# KiCad board usb_power_board.kicad_pcb
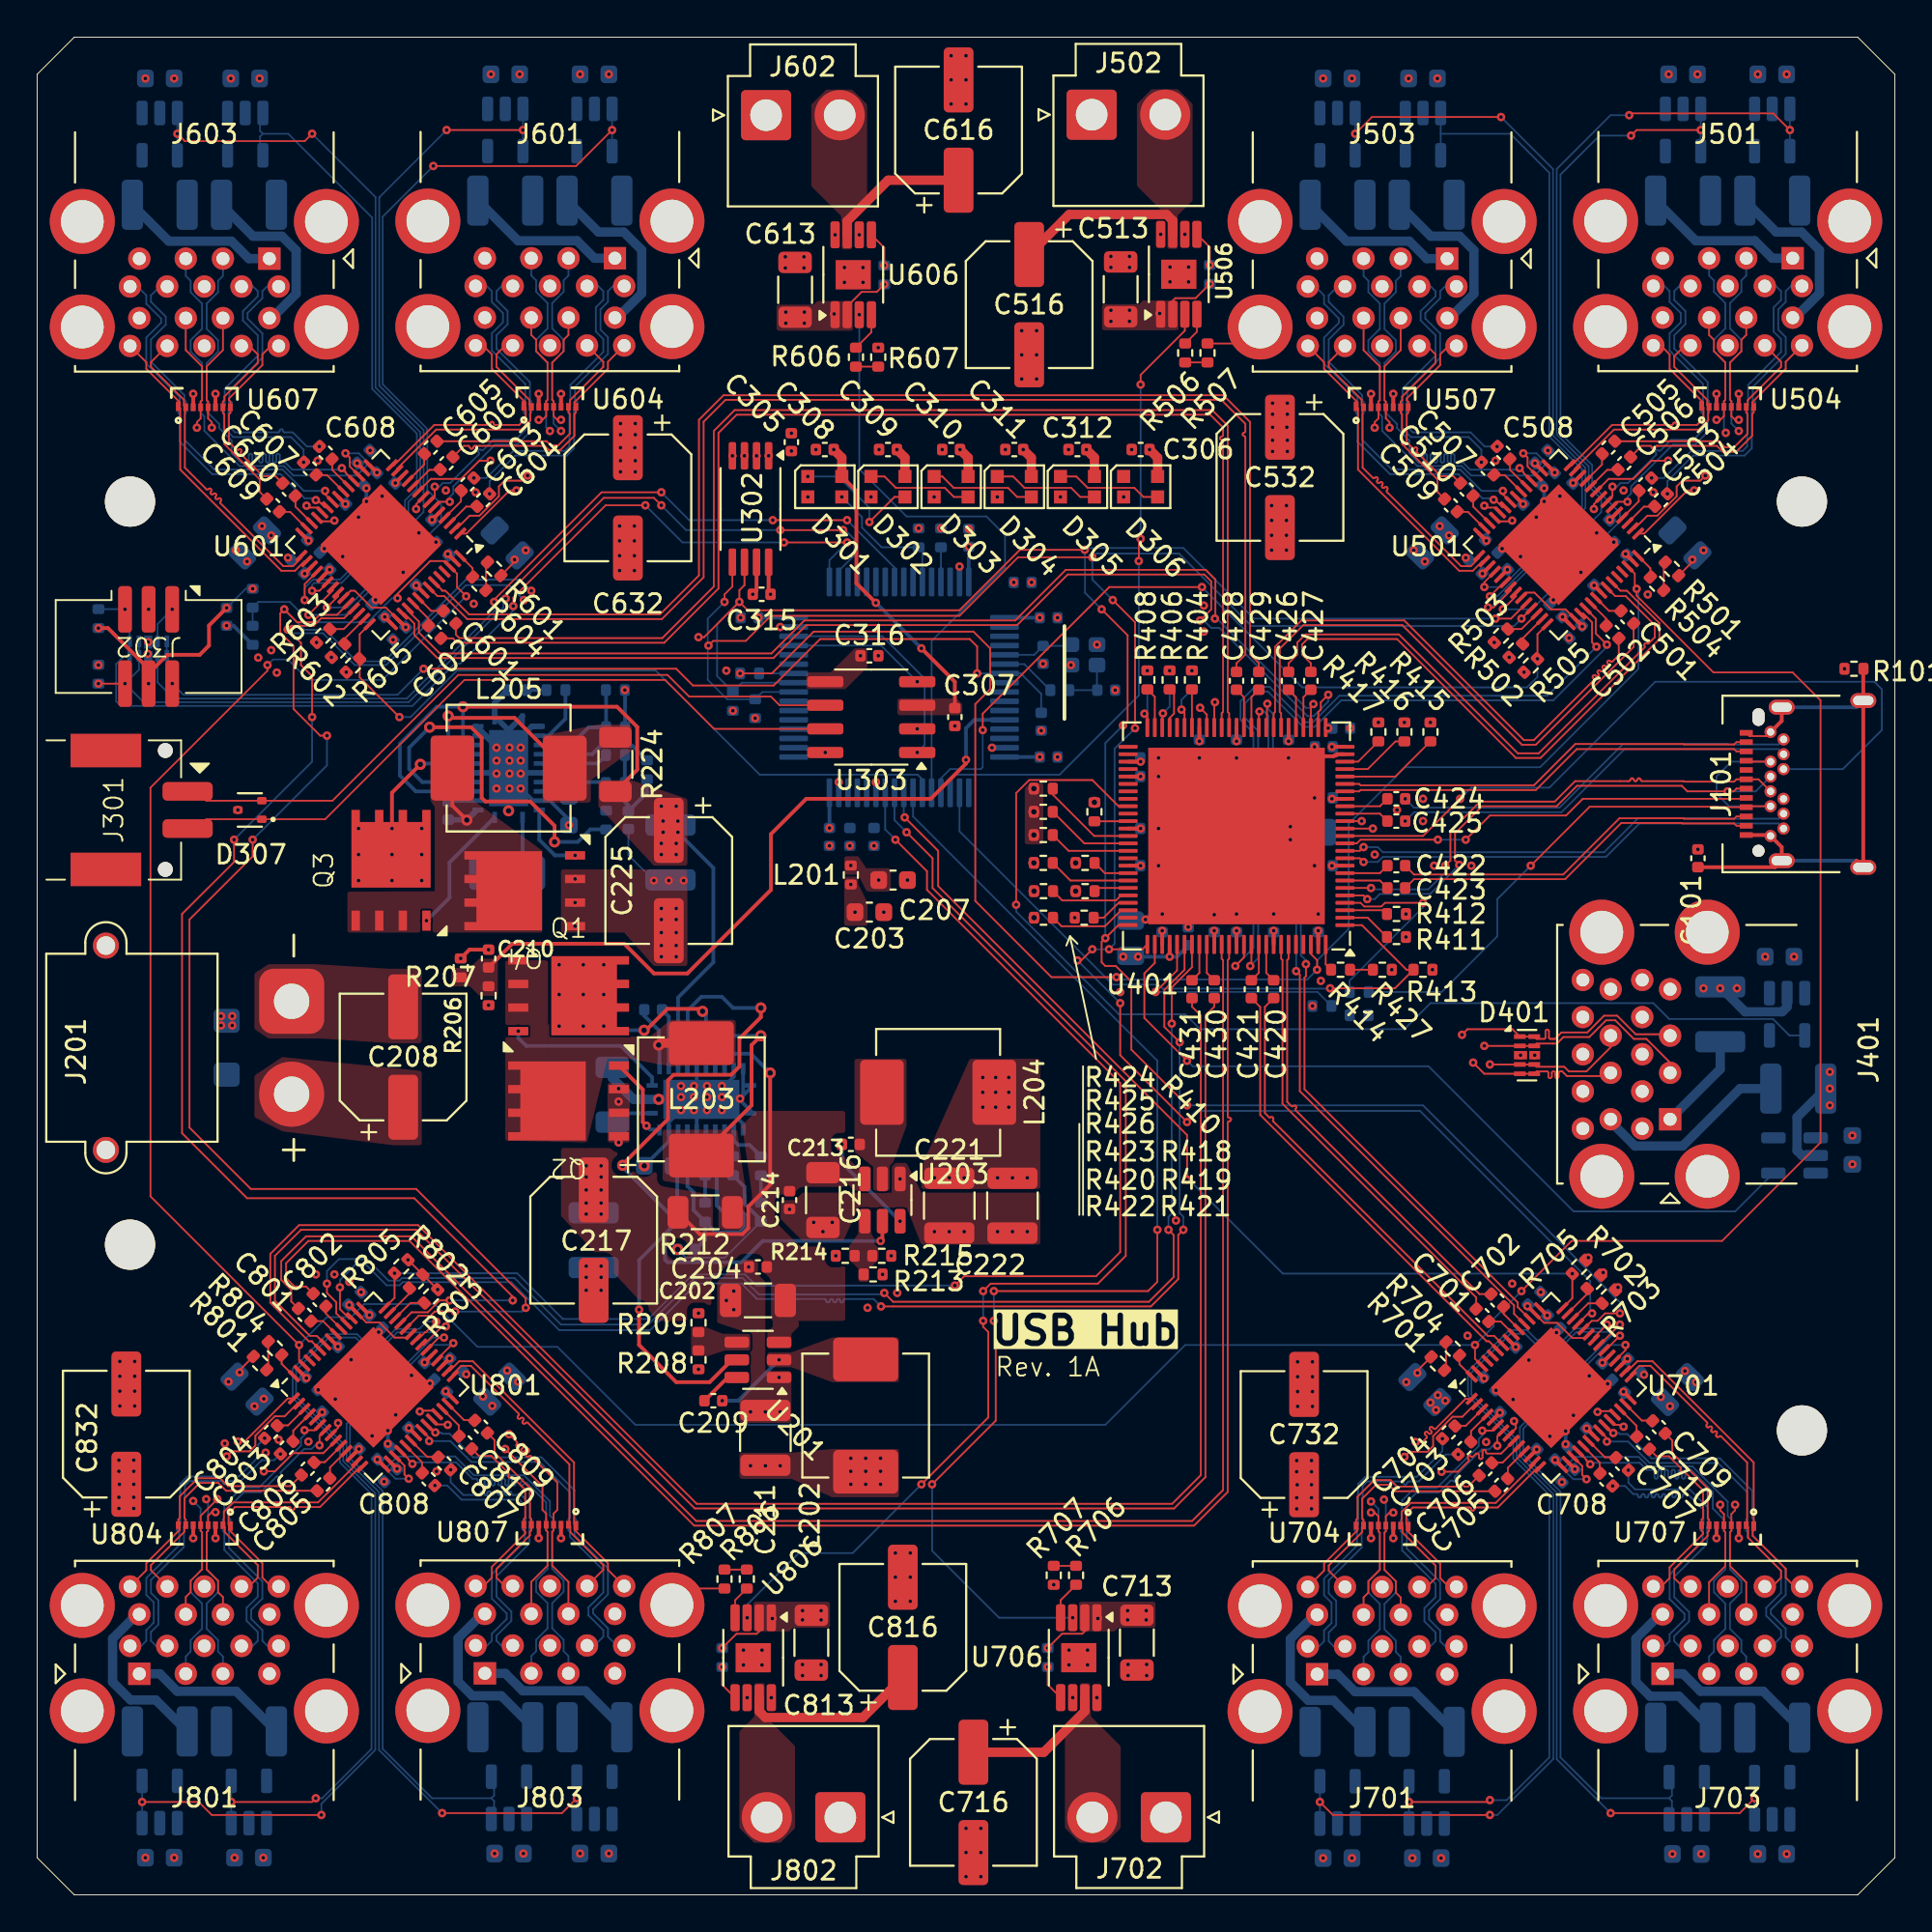
[diagram p0: board, top side]
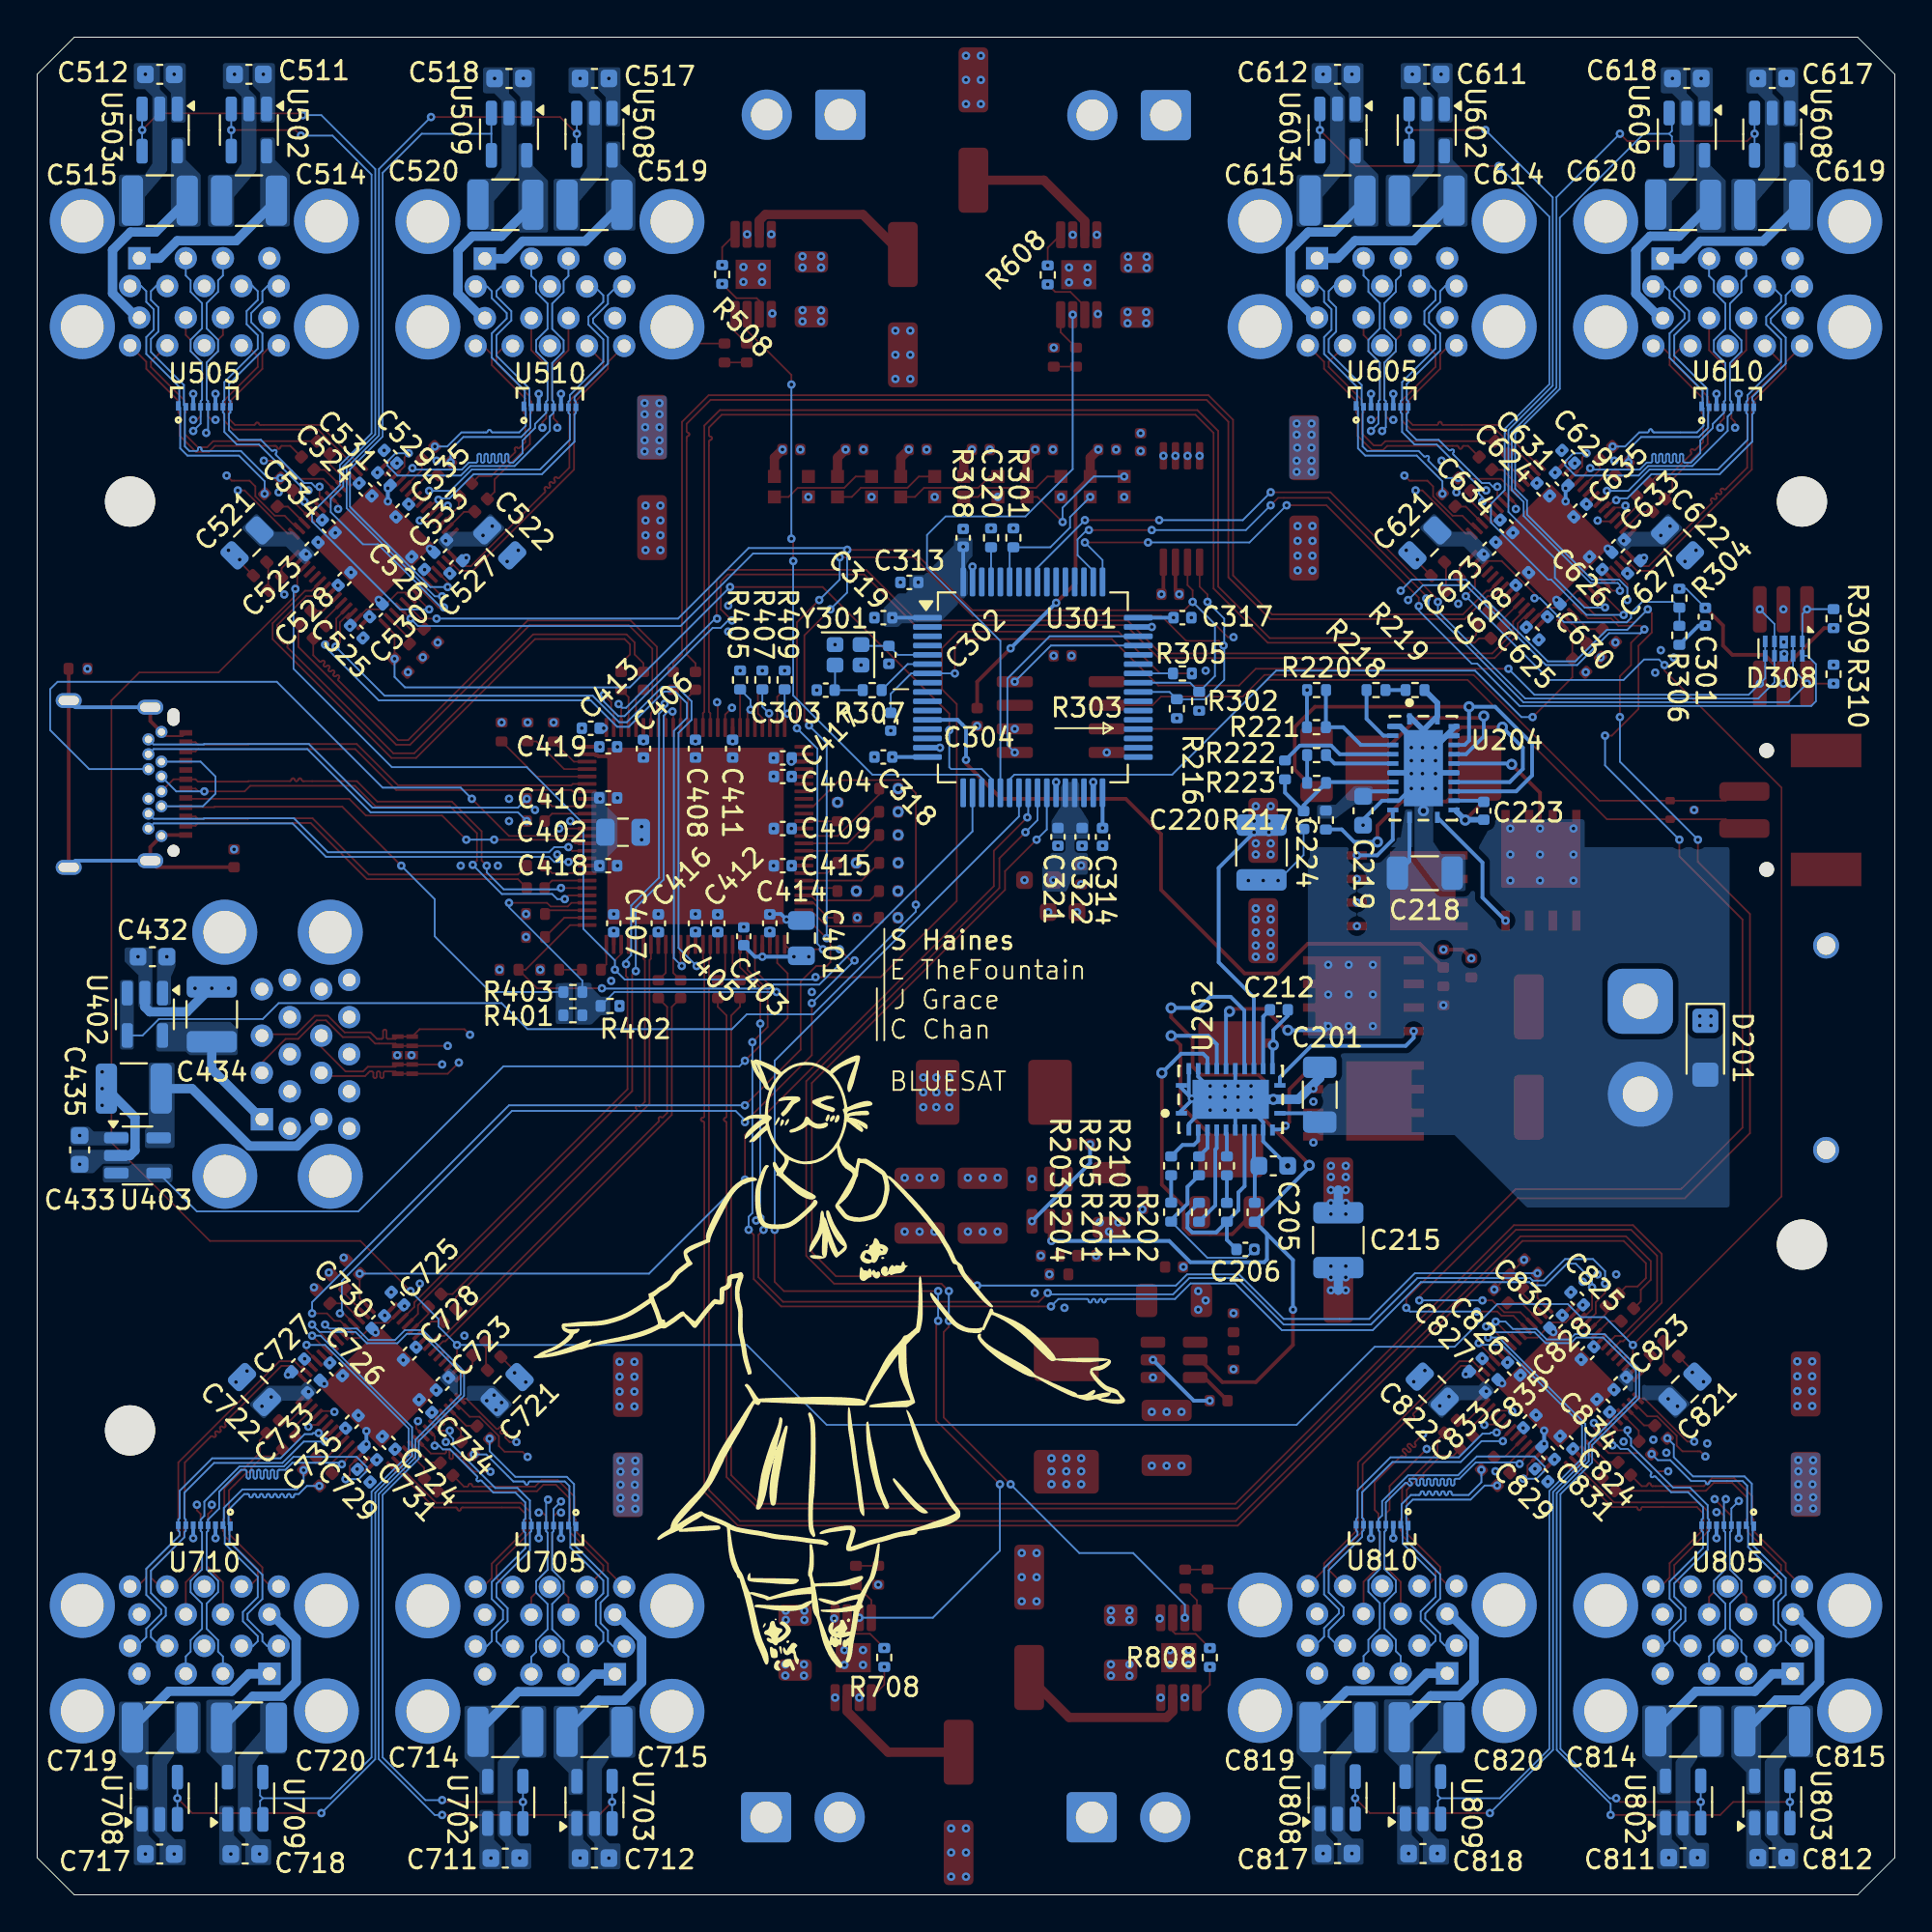
[diagram p1: board, bottom side, seen from below]

Outline 100 x 100 mm; copper layers: Top, GNDF.Cu (plane), PWRF.Cu, PWRB.Cu, GNDB.Cu (plane), Bottom. Coordinates in mm from the lower left corner of the outline.
Outline path: 0,98 0,2 2,0 98,0 100,2 100,98 98,100 2,100 0,98
Stack: Top 0.035mm / dielectric 0.1mm FR4 er 4.5 / GNDF.Cu 0.035mm / dielectric 0.535mm FR4 er 4.5 / PWRF.Cu 0.035mm / dielectric 0.1mm FR4 er 4.5 / PWRB.Cu 0.035mm / dielectric 0.535mm FR4 er 4.5 / GNDB.Cu 0.035mm / dielectric 0.1mm FR4 er 4.5 / Bottom 0.035mm

## Placement (name value [footprint] x y rotation side)
C101  10n  [C_0402_1005Metric]  89.4 55.8 270 top
C201  2u2  [C_1206_3216Metric]  30.96 43.07 270 bottom
C202  4u7  [C_1206_3216Metric]  38.8 32 0 top
C203  2u2  [C_0603_1608Metric]  44.8 52.9 180 top
C204  100n  [C_0402_1005Metric]  38.8 33.8 0 top
C205  2u2  [C_0603_1608Metric]  33.46 39.24 0 bottom
C206  220n  [C_0402_1005Metric]  34.96 34.74 0 bottom
C207  2u2  [C_0603_1608Metric]  46.07 54.62 180 top
C208  68u  [CP_Elec_6.3x7.7]  19.7 45.1 90 top
C209  100n  [C_0402_1005Metric]  36.4 26.6 0 top
C210  10n  [C_0402_1005Metric]  24.3 50.4 270 top
C211  22u  [C_1210_3225Metric]  39.2 24.6 270 top
C212  100n  [C_0402_1005Metric]  33.16 47.64 180 bottom
C213  4u7  [C_1206_3216Metric]  42.3 37.4 90 top
C214  100n  [C_0402_1005Metric]  40.5 37.4 90 top
C215  10u  [C_1210_3225Metric]  29.96 35.24 90 bottom
C216  100n  [C_0402_1005Metric]  43.8 40.4 0 top
C217  68u  [CP_Elec_6.3x7.7]  29.96 35.24 270 top
C218  2u2  [C_1206_3216Metric]  25.3 55 0 bottom
C219  2u2  [C_0603_1608Metric]  28.63 58.36 90 bottom
C220  220n  [C_0402_1005Metric]  31.83 57.86 90 bottom
C221  22u  [C_1210_3225Metric]  49.1 37.1 90 top
C222  22u  [C_1210_3225Metric]  52.5 37.1 90 top
C223  100n  [C_0402_1005Metric]  22.13 58.36 270 bottom
C224  22u  [C_1210_3225Metric]  34.09 56.11 90 bottom
C225  68u  [CP_Elec_6.3x7.7]  34 54.6 270 top
C301  220n  [C_0402_1005Metric]  10.2 68.8 90 bottom
C302  10p  [C_0402_1005Metric]  54.15 66.75 90 bottom
C303  10p  [C_0402_1005Metric]  57.55 64.85 180 bottom
C304  10n  [C_0402_1005Metric]  54.05 63.15 90 bottom
C305  4u7  [C_0402_1005Metric]  40.6 78.2 90 top
C306  220n  [C_0402_1005Metric]  59.4 77.8 0 top
C307  220n  [C_0402_1005Metric]  49.4 63.4 90 top
C308  220n  [C_0402_1005Metric]  42.4 77.8 0 top
C309  220n  [C_0402_1005Metric]  45.8 77.8 0 top
C310  220n  [C_0402_1005Metric]  49.2 77.8 0 top
C311  220n  [C_0402_1005Metric]  52.6 77.8 0 top
C312  220n  [C_0402_1005Metric]  56 77.8 0 top
C313  4u7  [C_0402_1005Metric]  53.05 70.65 180 bottom
C314  220n  [C_0402_1005Metric]  42.65 56.95 90 bottom
C315  220n  [C_0402_1005Metric]  39 70.01 0 top
C316  220n  [C_0402_1005Metric]  44.8 66.7 180 top
C317  220n  [C_0402_1005Metric]  38.35 68.75 0 bottom
C318  220n  [C_0402_1005Metric]  54.45 61.25 180 bottom
C319  220n  [C_0402_1005Metric]  54.45 68.75 180 bottom
C320  220n  [C_0402_1005Metric]  50.15 73.05 270 bottom
C321  220n  [C_0402_1005Metric]  45.05 56.95 90 bottom
C322  220n  [C_0402_1005Metric]  43.75 56.95 90 bottom
C401  4u7  [C_0805_2012Metric]  58.86 51.5 270 bottom
C402  4u7  [C_0805_2012Metric]  68.46 57.2 0 bottom
C403  220n  [C_0402_1005Metric]  61.96 51.6 270 bottom
C404  220n  [C_0402_1005Metric]  59.86 60.2 180 bottom
C405  220n  [C_0402_1005Metric]  64.56 52.3 270 bottom
C406  220n  [C_0402_1005Metric]  67.36 61.7 90 bottom
C407  220n  [C_0402_1005Metric]  68.96 52.3 270 bottom
C408  220n  [C_0402_1005Metric]  64.56 61.7 90 bottom
C409  220n  [C_0402_1005Metric]  59.86 57.4 180 bottom
C410  220n  [C_0402_1005Metric]  69.26 59.05 0 bottom
C411  220n  [C_0402_1005Metric]  62.56 61.7 90 bottom
C412  220n  [C_0402_1005Metric]  63.36 52.3 270 bottom
C413  220n  [C_0402_1005Metric]  70.2 62.8 180 bottom
C414  220n  [C_0402_1005Metric]  60.56 52.3 270 bottom
C415  220n  [C_0402_1005Metric]  59.86 55.4 180 bottom
C416  220n  [C_0402_1005Metric]  66.56 52.3 270 bottom
C417  220n  [C_0402_1005Metric]  59.86 61.2 180 bottom
C418  220n  [C_0402_1005Metric]  69.26 55.4 0 bottom
C419  220n  [C_0402_1005Metric]  69.26 61.8 0 bottom
C420  220n  [C_0402_1005Metric]  66.56 48.75 90 top
C421  220n  [C_0402_1005Metric]  65.36 48.75 90 top
C422  220n  [C_0402_1005Metric]  73.16 55.4 180 top
C423  220n  [C_0402_1005Metric]  73.16 54.2 180 top
C424  220n  [C_0402_1005Metric]  73.16 59 180 top
C425  220n  [C_0402_1005Metric]  73.16 57.8 180 top
C426  220n  [C_0402_1005Metric]  67.36 65.35 270 top
C427  220n  [C_0402_1005Metric]  68.56 65.35 270 top
C428  220n  [C_0402_1005Metric]  64.56 65.35 270 top
C429  220n  [C_0402_1005Metric]  65.76 65.35 270 top
C430  220n  [C_0402_1005Metric]  63.36 48.75 90 top
C431  220n  [C_0402_1005Metric]  62.17 48.75 90 top
C432  2u2  [C_0603_1608Metric]  93.8 50.5 180 bottom
C433  2u2  [C_0603_1608Metric]  97.71 40.1 90 bottom
C434  22u  [C_1210_3225Metric]  90.6 47.4 270 bottom
C435  22u  [C_1210_3225Metric]  94.8 43.4 180 bottom
C501  220n  [C_0402_1005Metric]  85.6 68.78 135 top
C502  220n  [C_0402_1005Metric]  84.8 67.98 135 top
C503  220n  [C_0402_1005Metric]  86.57 75.93 225 top
C504  220n  [C_0402_1005Metric]  87.42 75.08 225 top
C505  220n  [C_0402_1005Metric]  84.59 77.91 225 top
C506  220n  [C_0402_1005Metric]  85.44 77.06 225 top
C507  220n  [C_0402_1005Metric]  78.08 76.78 315 top
C508  220n  [C_0402_1005Metric]  78.93 77.63 315 top
C509  220n  [C_0402_1005Metric]  76.1 74.8 315 top
C510  220n  [C_0402_1005Metric]  76.95 75.65 315 top
C511  2u2  [C_0603_1608Metric]  88.6 98 180 bottom
C512  2u2  [C_0603_1608Metric]  93.4 98 180 bottom
C513  4u7  [C_1206_3216Metric]  58.32 86.43 270 top
C514  22u  [C_1210_3225Metric]  88.6 91.2 180 bottom
C515  22u  [C_1210_3225Metric]  93.4 91.2 180 bottom
C516  68u  [CP_Elec_6.3x7.7]  53.4 85.6 270 top
C517  2u2  [C_0603_1608Metric]  70 97.78 180 bottom
C518  2u2  [C_0603_1608Metric]  74.6 97.78 180 bottom
C519  22u  [C_1210_3225Metric]  70 90.98 180 bottom
C520  22u  [C_1210_3225Metric]  74.8 90.98 180 bottom
C521  4u7  [C_0805_2012Metric]  88.7 72.78 135 bottom
C522  4u7  [C_0805_2012Metric]  75.1 72.78 45 bottom
C523  220n  [C_0402_1005Metric]  85.22 72.47 315 bottom
C524  220n  [C_0402_1005Metric]  82.32 75.65 45 bottom
C525  220n  [C_0402_1005Metric]  82.8 68 45 bottom
C526  220n  [C_0402_1005Metric]  79.5 71.69 225 bottom
C527  220n  [C_0402_1005Metric]  77.45 71.48 315 bottom
C528  220n  [C_0402_1005Metric]  83.46 70.84 315 bottom
C529  220n  [C_0402_1005Metric]  80.98 77.41 225 bottom
C530  220n  [C_0402_1005Metric]  81.76 69.14 315 bottom
C531  220n  [C_0402_1005Metric]  81.33 76.21 45 bottom
C532  68u  [CP_Elec_6.3x7.7]  66.9 76.3 270 top
C533  220n  [C_0402_1005Metric]  78.29 72.61 135 bottom
C534  220n  [C_0402_1005Metric]  84.3 73.67 45 bottom
C535  220n  [C_0402_1005Metric]  80.34 74.52 135 bottom
C601  220n  [C_0402_1005Metric]  22.2 68.78 135 top
C602  220n  [C_0402_1005Metric]  21.4 67.98 135 top
C603  220n  [C_0402_1005Metric]  23.17 75.93 225 top
C604  220n  [C_0402_1005Metric]  24.02 75.08 225 top
C605  220n  [C_0402_1005Metric]  21.19 77.91 225 top
C606  220n  [C_0402_1005Metric]  22.04 77.06 225 top
C607  220n  [C_0402_1005Metric]  14.68 76.78 315 top
C608  220n  [C_0402_1005Metric]  15.53 77.63 315 top
C609  220n  [C_0402_1005Metric]  12.7 74.8 315 top
C610  220n  [C_0402_1005Metric]  13.55 75.65 315 top
C611  2u2  [C_0603_1608Metric]  25.2 98 180 bottom
C612  2u2  [C_0603_1608Metric]  30 98 180 bottom
C613  4u7  [C_1206_3216Metric]  40.8 86.4 270 top
C614  22u  [C_1210_3225Metric]  25.2 91.2 180 bottom
C615  22u  [C_1210_3225Metric]  30 91.2 180 bottom
C616  68u  [CP_Elec_6.3x7.7]  49.6 95 90 top
C617  2u2  [C_0603_1608Metric]  6.6 97.78 180 bottom
C618  2u2  [C_0603_1608Metric]  11.2 97.78 180 bottom
C619  22u  [C_1210_3225Metric]  6.6 90.98 180 bottom
C620  22u  [C_1210_3225Metric]  11.4 90.98 180 bottom
C621  4u7  [C_0805_2012Metric]  25.3 72.78 135 bottom
C622  4u7  [C_0805_2012Metric]  11.7 72.78 45 bottom
C623  220n  [C_0402_1005Metric]  21.82 72.47 315 bottom
C624  220n  [C_0402_1005Metric]  18.92 75.65 45 bottom
C625  220n  [C_0402_1005Metric]  19.5 67.9 45 bottom
C626  220n  [C_0402_1005Metric]  16.1 71.69 225 bottom
C627  220n  [C_0402_1005Metric]  14.05 71.48 315 bottom
C628  220n  [C_0402_1005Metric]  20.06 70.84 315 bottom
C629  220n  [C_0402_1005Metric]  17.58 77.41 225 bottom
C630  220n  [C_0402_1005Metric]  18.36 69.14 315 bottom
C631  220n  [C_0402_1005Metric]  17.93 76.21 45 bottom
C632  68u  [CP_Elec_6.3x7.7]  31.8 75.2 270 top
C633  220n  [C_0402_1005Metric]  14.89 72.61 135 bottom
C634  220n  [C_0402_1005Metric]  20.9 73.67 45 bottom
C635  220n  [C_0402_1005Metric]  16.94 74.52 135 bottom
C701  220n  [C_0402_1005Metric]  77.8 31.2 315 top
C702  220n  [C_0402_1005Metric]  78.6 32 315 top
C703  220n  [C_0402_1005Metric]  76.83 24.05 45 top
C704  220n  [C_0402_1005Metric]  75.98 24.9 45 top
C705  220n  [C_0402_1005Metric]  78.81 22.07 45 top
C706  220n  [C_0402_1005Metric]  77.96 22.92 45 top
C707  220n  [C_0402_1005Metric]  85.32 23.2 135 top
C708  220n  [C_0402_1005Metric]  84.47 22.35 135 top
C709  220n  [C_0402_1005Metric]  87.3 25.18 135 top
C710  220n  [C_0402_1005Metric]  86.45 24.33 135 top
C711  2u2  [C_0603_1608Metric]  74.8 1.98 0 bottom
C712  2u2  [C_0603_1608Metric]  70 1.98 0 bottom
C713  4u7  [C_1206_3216Metric]  59.2 13.58 90 top
C714  22u  [C_1210_3225Metric]  74.8 8.78 0 bottom
C715  22u  [C_1210_3225Metric]  70 8.78 0 bottom
C716  68u  [CP_Elec_6.3x7.7]  50.4 4.98 270 top
C717  2u2  [C_0603_1608Metric]  93.4 2.2 0 bottom
C718  2u2  [C_0603_1608Metric]  88.8 2.2 0 bottom
C719  22u  [C_1210_3225Metric]  93.4 9 0 bottom
C720  22u  [C_1210_3225Metric]  88.6 9 0 bottom
C721  4u7  [C_0805_2012Metric]  74.7 27.2 315 bottom
C722  4u7  [C_0805_2012Metric]  88.3 27.2 225 bottom
C723  220n  [C_0402_1005Metric]  78.18 27.51 135 bottom
C724  220n  [C_0402_1005Metric]  81.08 24.33 225 bottom
C725  220n  [C_0402_1005Metric]  80.6 32.1 225 bottom
C726  220n  [C_0402_1005Metric]  83.9 28.29 45 bottom
C727  220n  [C_0402_1005Metric]  85.95 28.5 135 bottom
C728  220n  [C_0402_1005Metric]  79.94 29.14 135 bottom
C729  220n  [C_0402_1005Metric]  82.42 22.56 45 bottom
C730  220n  [C_0402_1005Metric]  81.64 30.84 135 bottom
C731  220n  [C_0402_1005Metric]  82.07 23.76 225 bottom
C732  68u  [CP_Elec_6.3x7.7]  68.2 24.78 90 top
C733  220n  [C_0402_1005Metric]  85.11 27.37 315 bottom
C734  220n  [C_0402_1005Metric]  79.1 26.31 225 bottom
C735  220n  [C_0402_1005Metric]  83.06 25.46 315 bottom
C801  220n  [C_0402_1005Metric]  14.4 31.22 315 top
C802  220n  [C_0402_1005Metric]  15.2 32.02 315 top
C803  220n  [C_0402_1005Metric]  13.43 24.07 45 top
C804  220n  [C_0402_1005Metric]  12.58 24.92 45 top
C805  220n  [C_0402_1005Metric]  15.41 22.09 45 top
C806  220n  [C_0402_1005Metric]  14.56 22.94 45 top
C807  220n  [C_0402_1005Metric]  21.92 23.22 135 top
C808  220n  [C_0402_1005Metric]  21.07 22.37 135 top
C809  220n  [C_0402_1005Metric]  23.9 25.2 135 top
C810  220n  [C_0402_1005Metric]  23.05 24.35 135 top
C811  2u2  [C_0603_1608Metric]  11.4 2 0 bottom
C812  2u2  [C_0603_1608Metric]  6.6 2 0 bottom
C813  4u7  [C_1206_3216Metric]  41.67 13.57 90 top
C814  22u  [C_1210_3225Metric]  11.4 8.8 0 bottom
C815  22u  [C_1210_3225Metric]  6.6 8.8 0 bottom
C816  68u  [CP_Elec_6.3x7.7]  46.6 14.4 90 top
C817  2u2  [C_0603_1608Metric]  30 2.22 0 bottom
C818  2u2  [C_0603_1608Metric]  25.4 2.22 0 bottom
C819  22u  [C_1210_3225Metric]  30 9.02 0 bottom
C820  22u  [C_1210_3225Metric]  25.2 9.02 0 bottom
C821  4u7  [C_0805_2012Metric]  11.3 27.22 315 bottom
C822  4u7  [C_0805_2012Metric]  24.9 27.22 225 bottom
C823  220n  [C_0402_1005Metric]  14.78 27.53 135 bottom
C824  220n  [C_0402_1005Metric]  17.68 24.35 225 bottom
C825  220n  [C_0402_1005Metric]  17.1 32.1 225 bottom
C826  220n  [C_0402_1005Metric]  20.5 28.31 45 bottom
C827  220n  [C_0402_1005Metric]  22.55 28.52 135 bottom
C828  220n  [C_0402_1005Metric]  16.54 29.16 135 bottom
C829  220n  [C_0402_1005Metric]  19.02 22.59 45 bottom
C830  220n  [C_0402_1005Metric]  18.24 30.86 135 bottom
C831  220n  [C_0402_1005Metric]  18.67 23.79 225 bottom
C832  68u  [CP_Elec_6.3x7.7]  4.8 24.8 90 top
C833  220n  [C_0402_1005Metric]  21.71 27.39 315 bottom
C834  220n  [C_0402_1005Metric]  15.7 26.33 225 bottom
C835  220n  [C_0402_1005Metric]  19.66 25.48 315 bottom
D201  30V  [D_SMF]  10.2 45.6 270 bottom
D301  WS2812B-2020  [LED_WS2812B-2020_PLCC4_2.0x2.0mm]  42.4 75.8 0 top
D302  WS2812B-2020  [LED_WS2812B-2020_PLCC4_2.0x2.0mm]  45.8 75.8 0 top
D303  WS2812B-2020  [LED_WS2812B-2020_PLCC4_2.0x2.0mm]  49.2 75.8 0 top
D304  WS2812B-2020  [LED_WS2812B-2020_PLCC4_2.0x2.0mm]  52.6 75.8 0 top
D305  WS2812B-2020  [LED_WS2812B-2020_PLCC4_2.0x2.0mm]  56 75.8 0 top
D306  WS2812B-2020  [LED_WS2812B-2020_PLCC4_2.0x2.0mm]  59.4 75.8 0 top
D307  5V  [SOT-523]  11.45 58.4 180 top
D308  3V3  [Diodes_UDFN-10_1.0x2.5mm_P0.5mm]  5.98 67.09 270 bottom
D401  3V3  [Diodes_UDFN-10_1.0x2.5mm_P0.5mm]  80.2 45.2 0 top
EvanLF  LOGO  [EvanCatGirl]  56.8 27.6 180 bottom
H101  MountingHole  [M2.5]  5 75 0 top
H102  MountingHole  [M2.5]  95 75 0 top
H103  MountingHole  [M2.5]  95 25 0 top
H104  MountingHole  [M2.5]  5 35 0 top
J101  USB_C_Receptacle  [USB_C_Receptacle_24P]  100 59.8 90 top
J201  XT30M  [AMASS_XT30PW-M_1x02_P2.50mm_Horizontal]  13.7 48.1 90 top
J301  -  [SM02B-PASS]  0 58.4 90 top
J302  -  [IDC6]  6 67.2 180 top
J401  USB3_A_Stacked  [USB3_A_Molex_48406-0001_Horizontal_Stacked]  87.9 41.75 90 top
J501  USB3_A_Stacked  [USB3_A_Molex_48406-0001_Horizontal_Stacked]  94.5 88.1 180 top
J502  VH2  [JST_VH_B2P-VH-B_1x02_P3.96mm_Vertical]  56.76 95.83 0 top
J503  USB3_A_Stacked  [USB3_A_Molex_48406-0001_Horizontal_Stacked]  75.9 88.08 180 top
J601  USB3_A_Stacked  [USB3_A_Molex_48406-0001_Horizontal_Stacked]  31.1 88.1 180 top
J602  VH2  [JST_VH_B2P-VH-B_1x02_P3.96mm_Vertical]  39.24 95.8 0 top
J603  USB3_A_Stacked  [USB3_A_Molex_48406-0001_Horizontal_Stacked]  12.5 88.08 180 top
J701  USB3_A_Stacked  [USB3_A_Molex_48406-0001_Horizontal_Stacked]  68.9 11.88 0 top
J702  VH2  [JST_VH_B2P-VH-B_1x02_P3.96mm_Vertical]  60.76 4.18 180 top
J703  USB3_A_Stacked  [USB3_A_Molex_48406-0001_Horizontal_Stacked]  87.5 11.9 0 top
J801  USB3_A_Stacked  [USB3_A_Molex_48406-0001_Horizontal_Stacked]  5.5 11.9 0 top
J802  VH2  [JST_VH_B2P-VH-B_1x02_P3.96mm_Vertical]  43.23 4.17 180 top
J803  USB3_A_Stacked  [USB3_A_Molex_48406-0001_Horizontal_Stacked]  24.1 11.92 0 top
L201  600R  [R_0402_1005Metric]  43.8 54.9 90 top
L202  2u2  [L_Changjiang_FXL0630]  44.6 25.8 270 top
L203  1u  [L_Changjiang_FXL0630]  35.75 42.82 270 top
L204  2u2  [L_Changjiang_FXL0630]  48.5 43.2 0 top
L205  1u  [L_Changjiang_FXL0630]  25.38 60.65 0 top
Q1  IRFH7440TRPBF  [PQFN_5x6mm_E_DGS]  28.61 48.4 0 top
Q2  IRFH7440TRPBF  [PQFN_5x6mm_E_DGS]  28.61 42.73 180 top
Q3  IRFH7440TRPBF  [PQFN_5x6mm_E_DGS]  19.05 55.15 90 top
Q4  IRFH7440TRPBF  [PQFN_5x6mm_E_DGS]  26.25 54.05 180 top
R101  1R  [R_0402_1005Metric]  97.8 66 0 top
R201  100k  [R_0402_1005Metric]  37.46 36.74 270 bottom
R202  100k  [R_0402_1005Metric]  34.46 36.74 270 bottom
R203  6k8  [R_0402_1005Metric]  38.96 39.24 270 bottom
R204  33k  [R_0402_1005Metric]  38.96 36.75 270 bottom
R205  10k  [R_0402_1005Metric]  37.46 39.24 270 bottom
R206  220k  [R_0402_1005Metric]  24.3 48.4 90 top
R207  10k  [R_0402_1005Metric]  22.8 49.9 90 top
R208  33k  [R_0402_1005Metric]  35.6 28.8 90 top
R209  10k  [R_0402_1005Metric]  35.6 30.8 90 top
R210  47k  [R_0402_1005Metric]  35.96 39.24 270 bottom
R211  1k  [R_0402_1005Metric]  35.96 36.74 270 bottom
R212  5m  [R_1206_3216Metric]  35.96 36.74 0 top
R213  22k  [R_0402_1005Metric]  45 33.4 180 top
R214  10k  [R_0402_1005Metric]  43.5 34.4 180 top
R215  6k8  [R_0402_1005Metric]  45.47 34.4 180 top
R216  100k  [R_0402_1005Metric]  32.83 60.56 90 bottom
R217  100k  [R_0402_1005Metric]  30.63 57.86 270 bottom
R218  6k8  [R_0402_1005Metric]  27.93 64.86 180 bottom
R219  33k  [R_0402_1005Metric]  25.83 64.86 180 bottom
R220  22k  [R_0402_1005Metric]  31.13 64.86 0 bottom
R221  100k  [R_0402_1005Metric]  31.14 62.86 0 bottom
R222  22k  [R_0402_1005Metric]  31.13 61.36 0 bottom
R223  2k2  [R_0402_1005Metric]  31.13 59.86 180 bottom
R224  5m  [R_1206_3216Metric]  31.13 60.86 90 top
R301  1k  [R_0402_1005Metric]  47.45 73.05 270 bottom
R302  10K  [R_0402_1005Metric]  37.45 64.25 90 bottom
R303  10K  [R_0402_1005Metric]  38.65 63.85 90 bottom
R304  1k  [R_0402_1005Metric]  11.6 69.8 270 bottom
R305  22R  [R_0402_1005Metric]  38.35 65.75 180 bottom
R306  1k  [R_0402_1005Metric]  11.6 67.8 270 bottom
R307  470R  [R_0402_1005Metric]  55.05 64.85 180 bottom
R308  100k  [R_0402_1005Metric]  48.65 73.05 90 bottom
R309  100k  [R_0402_1005Metric]  3.3 68.7 90 bottom
R310  100k  [R_0402_1005Metric]  3.3 65.71 90 bottom
R401  68k  [R_0402_1005Metric]  71.16 47.35 0 bottom
R402  47k  [R_0402_1005Metric]  69.16 47.85 0 bottom
R403  100k  [R_0402_1005Metric]  71.16 48.6 0 bottom
R404  100k  [R_0402_1005Metric]  62.16 65.4 270 top
R405  100k  [R_0402_1005Metric]  62.16 65.4 270 bottom
R406  100k  [R_0402_1005Metric]  60.96 65.4 270 top
R407  100k  [R_0402_1005Metric]  60.96 65.4 270 bottom
R408  100k  [R_0402_1005Metric]  59.76 65.4 270 top
R409  100k  [R_0402_1005Metric]  59.76 65.4 270 bottom
R410  100k  [R_0402_1005Metric]  56.91 58.3 270 top
R411  100k  [R_0402_1005Metric]  73.17 51.56 180 top
R412  100k  [R_0402_1005Metric]  73.17 52.8 180 top
R413  47k  [R_0402_1005Metric]  74.6 49.8 180 top
R414  10k  [R_0402_1005Metric]  70.16 49.8 180 top
R415  220k  [R_0402_1005Metric]  75 62.6 270 top
R416  220k  [R_0402_1005Metric]  73.6 62.6 270 top
R417  220k  [R_0402_1005Metric]  72.2 62.6 270 top
R418  100k  [R_0402_1005Metric]  56.41 55.55 0 top
R419  10R  [R_0402_1005Metric]  56.41 54.03 0 top
R420  100k  [R_0402_1005Metric]  54.17 54.03 0 top
R421  100k  [R_0402_1005Metric]  56.36 52.6 0 top
R422  100k  [R_0402_1005Metric]  54.17 52.6 0 top
R423  10R  [R_0402_1005Metric]  54.16 55.55 0 top